# Altium PCB main_io.PcbDoc (part 2 of 3)
Units mm, origin at the board's own origin, x right, y up, seen from the top; angles counter-clockwise.
Board outline 171.45 x 117.09 mm, 4 copper layers (Top Layer, Int1 (GND), Int2 (PWR), Bottom Layer), stack 1.369 mm thick; 229 components, 139 nets, 971 pads, 253 vias.
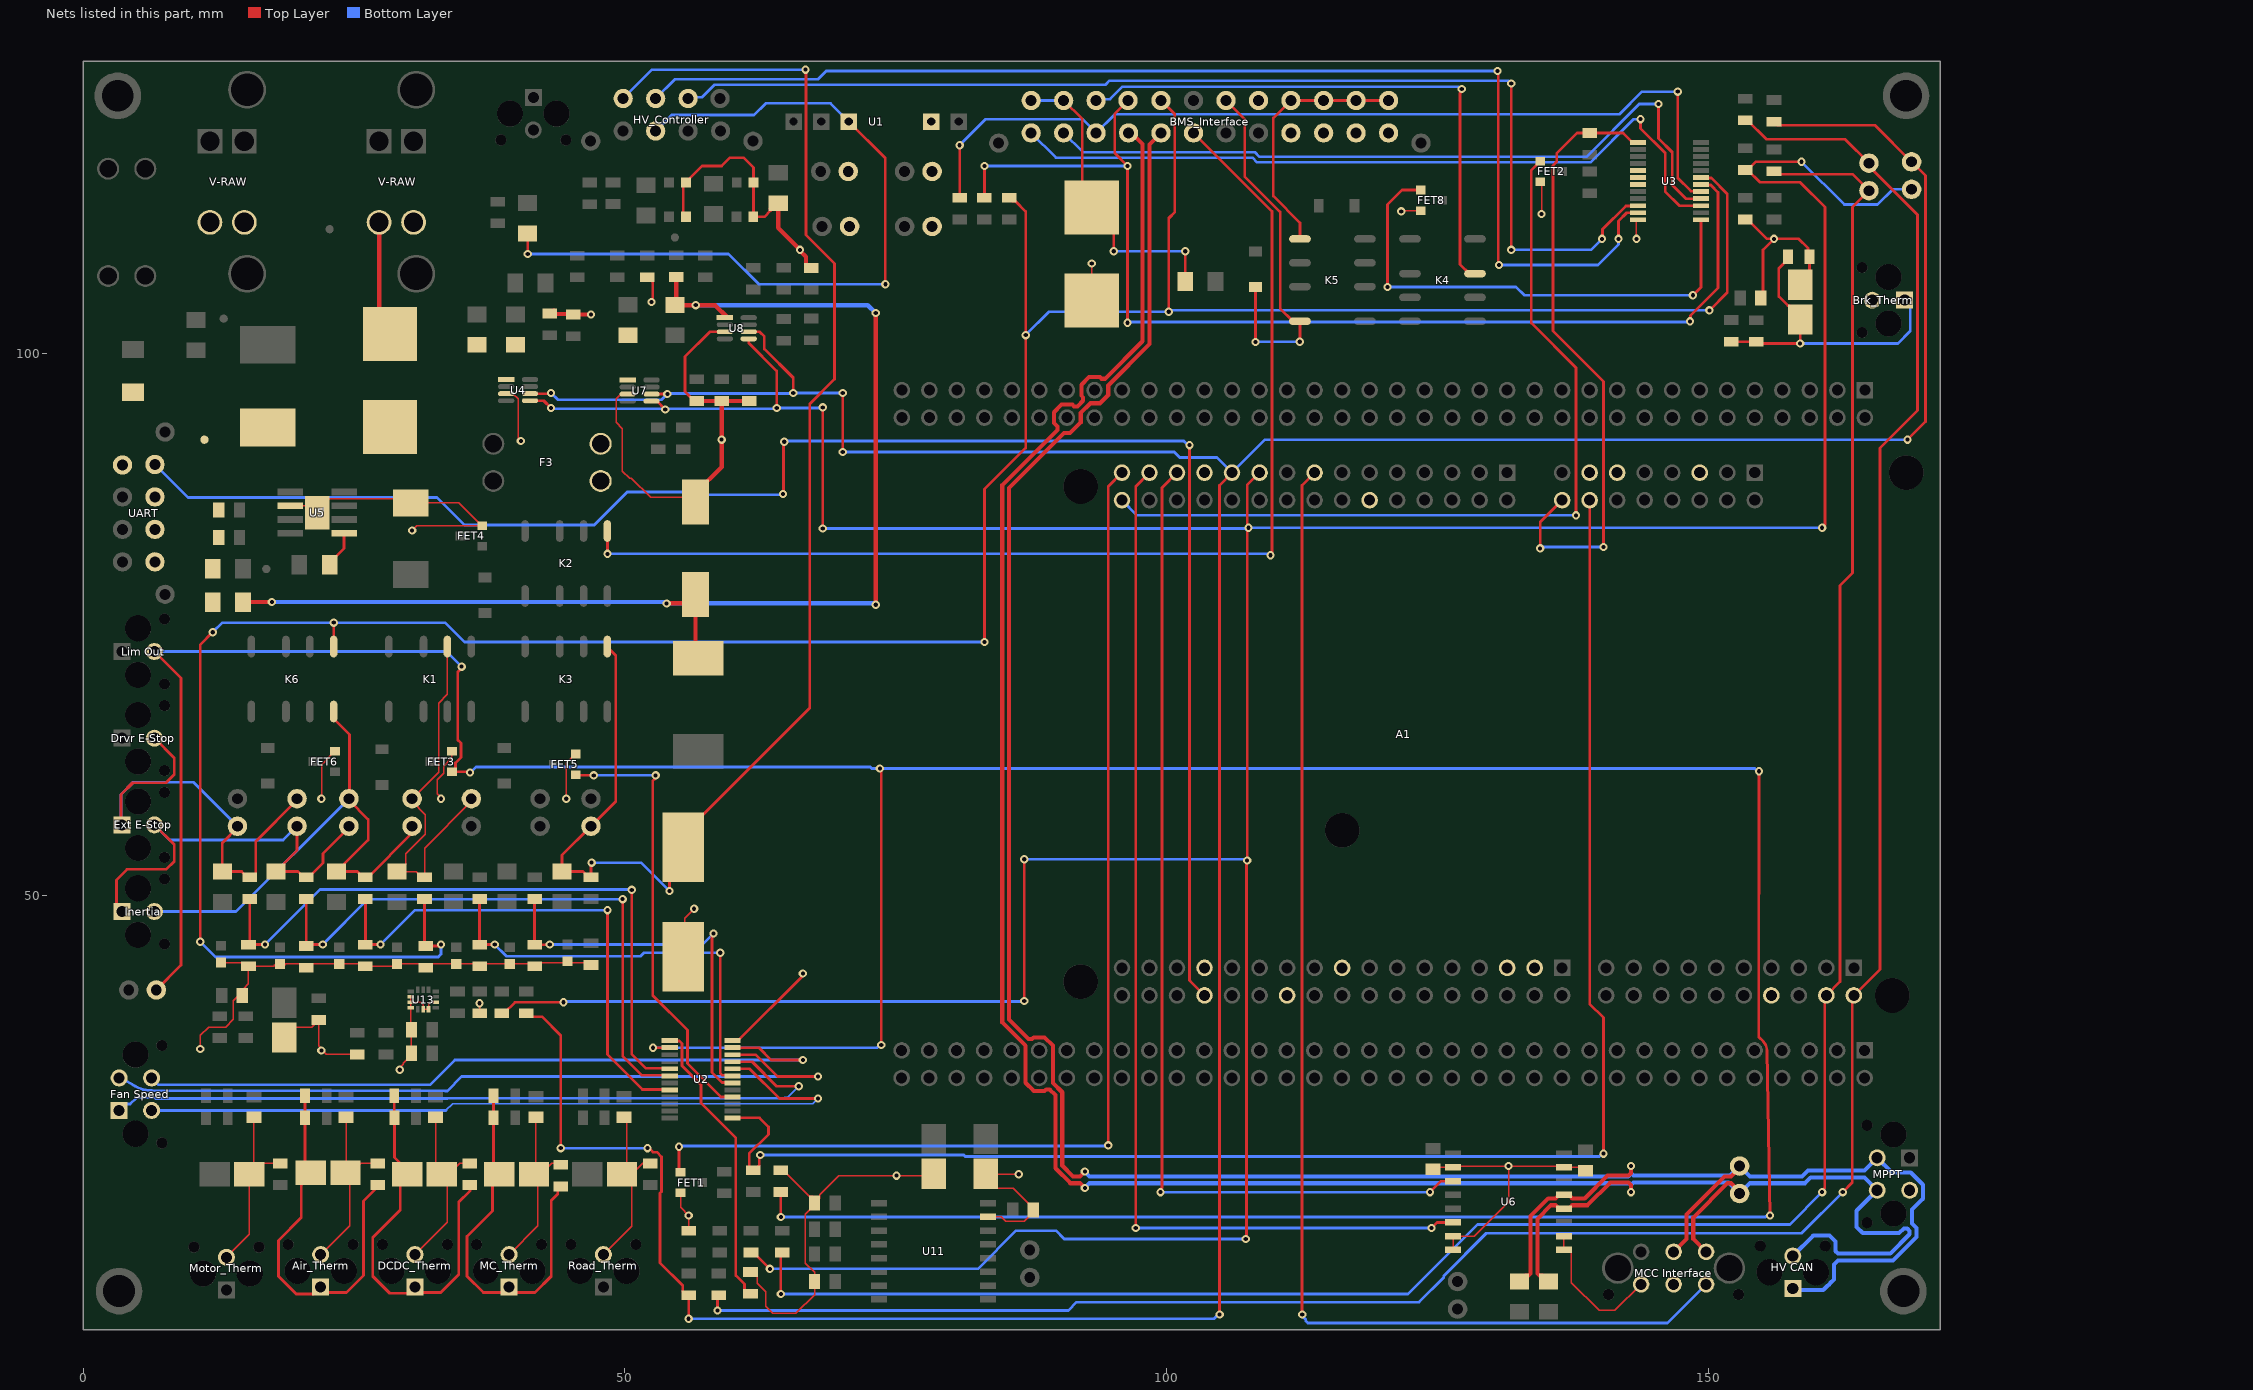
[diagram p4: the nets of this part, all layers, seen from the top]

## Part data (continued)
R5 R32 R38 R40 R44 R48 R50: library part ERJ-6ENF1801V, "RES SMD 1.8K OHM 1% 1/8W 0805", Digi-Key Part Number=P1.80KCCT-ND, Manufacturer="Panasonic Electronic Components", Operating Temperature="-55°C ~ 155°C", Package / Case="0805 (2012 Metric)", Power (Watts)="0.125W, 1/8W", Supplier Device Package=0805, Temperature Coefficient=±100ppm/°C, Tolerance=±1%, @ qty=1500, Composition="Thick Film", Datasheets=http://industrial.panasonic.com/www-cgi/jvcr13pz.cgi?E+PZ+3+AOA0002+ERJ6ENF1801V+7+WW, Factory Stock=0, Failure Rate=-, Features="Automotive AEC-Q200", Height - Seated (Max)="0.028\" (0.70mm)", Image=//media.digikey.com/Renders/Panasonic%20Renders/ERJ-0805%20Pkg.jpg, Minimum Quantity=1, Number of Terminations=2, Packaging="Cut Tape (CT)", Part Number=ERJ-6ENF1801V, Part Status=Active, Quantity Available=37011, Series=ERJ, Size / Dimension="0.079\" L x 0.049\" W (2.00mm x 1.25mm)", Unit Price (USD)=0.00729
R6 R33 R39 R41 R45 R49 R51: library part ERJ-6ENF1001V, "RES SMD 1K OHM 1% 1/8W 0805", Digi-Key Part Number=P1.00KCCT-ND, Manufacturer="Panasonic Electronic Components", Operating Temperature="-55°C ~ 155°C", Package / Case="0805 (2012 Metric)", Power (Watts)="0.125W, 1/8W", Supplier Device Package=0805, Temperature Coefficient=±100ppm/°C, Tolerance=±1%, @ qty=1500, Composition="Thick Film", Datasheets=http://industrial.panasonic.com/www-cgi/jvcr13pz.cgi?E+PZ+3+AOA0002+ERJ6ENF1001V+7+WW, Factory Stock=0, Failure Rate=-, Features="Automotive AEC-Q200", Height - Seated (Max)="0.028\" (0.70mm)", Image=//media.digikey.com/Renders/Panasonic%20Renders/ERJ-0805%20Pkg.jpg, Minimum Quantity=1, Number of Terminations=2, Packaging="Cut Tape (CT)", Part Number=ERJ-6ENF1001V, Part Status=Active, Quantity Available=12895103, Series=ERJ, Size / Dimension="0.079\" L x 0.049\" W (2.00mm x 1.25mm)", Unit Price (USD)=0.00729
R7 R88: library part CSNL1206FT5L00TR, "RES SMD 0.005 OHM 1% 1W 1206", Case Code (Imperial)=1206, Case Code (Metric)=3216, Manufacturer="Stackpole Electronics", Manufacturer Part Number=CSNL1206FT5L00, Max Operating Temperature=170°C, Max Power Dissipation=1W, Min Operating Temperature=-55°C, Resistance=5mR, Supplier Part Number 1=CSNL1206FT5L00DKR-ND, Temperature Coefficient=50ppm/°C, Tolerance=1%, Case/Package=1206, ComponentLink1Description=https://www.seielect.com/Catalog/SEI-csnl.pdf?src-supplier=Digi-Key, ComponentLink1URL=https://www.seielect.com/Catalog/SEI-csnl.pdf?src-supplier=Digi-Key, ComponentLink2Description=https://www.seielect.com/catalog/SEI-Packaging.pdf?src-supplier=Digi-Key, ComponentLink2URL=https://www.seielect.com/catalog/SEI-Packaging.pdf?src-supplier=Digi-Key, ComponentLink3Description=https://www.seielect.com/Catalog/SEI-CSNL.pdf?src-supplier=Avnet, ComponentLink3URL=https://www.seielect.com/Catalog/SEI-CSNL.pdf?src-supplier=Avnet, Composition="Metal Foil", Contact Plating=Tin,Matte, Features="Moisture Resistant", Height=0.035inch, Length=0.126inch, Mount="Surface Mount", Number of Terminations=2, Packaging="Tape and Reel", Power Rating=1W, Pricing 1="1=0.68, 10=0.566, 25=0.4852, 50=0.4366, 100=0.38, 250=0.33956, 500=0.2749, 1000=0.22234 (USD)", Radiation Hardening=No, Stock 1=5025, Supplier 1=Digi-Key, Width=0.063inch
R8 R14 R16 R17 R19 R20 R21 R23 R25 R26 R28 R29 R30 R43 R56 R57 R58 R59 R60 R62 R63 R64 R66 R67 R68 R69 R121 R122 R124 R125 R126 R127: library part ERJ-6GEY0R00V, "RES SMD 0.0 OHM JUMPER 1/8W 0805", Digi-Key Part Number=P0.0ACT-ND, Manufacturer="Panasonic Electronic Components", Operating Temperature="-55°C ~ 155°C", Package / Case="0805 (2012 Metric)", Power (Watts)="0.125W, 1/8W", Supplier Device Package=0805, Temperature Coefficient=-, Tolerance=Jumper, @ qty=1500, Composition="Thick Film", Datasheets=http://industrial.panasonic.com/www-cgi/jvcr13pz.cgi?E+PZ+3+AOA0001+ERJ6GEY0R00V+7+WW, Factory Stock=0, Failure Rate=-, Features="Automotive AEC-Q200", Height - Seated (Max)="0.028\" (0.70mm)", Image=//media.digikey.com/Renders/Panasonic%20Renders/ERJ-0805%20Pkg.jpg, Minimum Quantity=1, Number of Terminations=2, Packaging="Cut Tape (CT)", Part Number=ERJ-6GEY0R00V, Part Status=Active, Quantity Available=1597627, Series=ERJ, Size / Dimension="0.079\" L x 0.049\" W (2.00mm x 1.25mm)", Unit Price (USD)=0.00544
R9: library part ERJ-6GEYJ151V, "RES SMD 150 OHM 5% 1/8W 0805", Digi-Key Part Number=P150ACT-ND, Manufacturer="Panasonic Electronic Components", Operating Temperature="-55°C ~ 155°C", Package / Case="0805 (2012 Metric)", Power (Watts)="0.125W, 1/8W", Supplier Device Package=0805, Temperature Coefficient=±200ppm/°C, Tolerance=±5%, @ qty=1500, Composition="Thick Film", Datasheets=http://industrial.panasonic.com/www-cgi/jvcr13pz.cgi?E+PZ+3+AOA0001+ERJ6GEYJ151V+7+WW, Factory Stock=0, Failure Rate=-, Features="Automotive AEC-Q200", Height - Seated (Max)="0.028\" (0.70mm)", Image=//media.digikey.com/Renders/Panasonic%20Renders/ERJ-0805%20Pkg.jpg, Minimum Quantity=1, Number of Terminations=2, Packaging="Cut Tape (CT)", Part Number=ERJ-6GEYJ151V, Part Status=Active, Quantity Available=321000, Series=ERJ, Size / Dimension="0.079\" L x 0.049\" W (2.00mm x 1.25mm)", Unit Price (USD)=0.00496
R10 R12: library part WSLP1206R0100FEA, "RES SMD 0.01 OHM 1% 1W 1206", Case Code (Imperial)=1206, Case Code (Metric)=3216, Manufacturer="Vishay Dale", Max Operating Temperature=170°C, Max Power Dissipation=1W, Min Operating Temperature=-65°C, Package Quantity=1, Resistance=10mR, Supplier Part Number 1=WSLP-.01CT-ND, Temperature Coefficient=75ppm/°C, Tolerance=1%, Case/Package=1206, ComponentLink1Description=http://www.vishay.com/docs/30122/wslp.pdf?src-supplier=Digi-Key, ComponentLink1URL=http://www.vishay.com/docs/30122/wslp.pdf?src-supplier=Digi-Key, ComponentLink2Description=http://www.farnell.com/datasheets/2049155.pdf?src-supplier=Element14, ComponentLink2URL=http://www.farnell.com/datasheets/2049155.pdf?src-supplier=Element14, Composition="Metal Element,Metal Strip", Contact Plating=Tin, Depth=1.6mm, Features="Moisture Resistant", Height=0.635mm, Lead Free="Lead Free", Length=3.2mm, Manufacturer Part Number=WSLP1206R0100FEA, Military Standard=Not, Mount="Surface Mount", Number of Pins=2, Number of Terminations=2, Packaging="Tape and Reel", Power Rating=1W, Radiation Hardening=No, REACH SVHC=Unknown, Stock 1=0, Supplier 1=Digi-Key, Termination=SMD/SMT, Weight=0.000571oz, Width=0.063inch
R13: library part ERJ-P08J620V, "RES SMD 62 OHM 5% 2/3W 1206", Digi-Key Part Number=P62ALCT-ND, Manufacturer="Panasonic Electronic Components", Operating Temperature="-55°C ~ 155°C", Package / Case="1206 (3216 Metric)", Power (Watts)="0.667W, 2/3W", Supplier Device Package=1206, Temperature Coefficient=±200ppm/°C, Tolerance=±5%, @ qty=1500, Composition="Thick Film", Datasheets=https://industrial.panasonic.com/cdbs/www-data/pdf/RDA0000/AOA0000C243.pdf, Factory Stock=0, Failure Rate=-, Features="Automotive AEC-Q200, Pulse Withstanding", Height - Seated (Max)="0.028\" (0.70mm)", Image=//media.digikey.com/Renders/Panasonic%20Renders/ERJ-1206%20Pkg.jpg, Minimum Quantity=1, Number of Terminations=2, Packaging="Cut Tape (CT)", Part Number=ERJ-P08J620V, Part Status=Active, Quantity Available=21939, Series=ERJ, Size / Dimension="0.126\" L x 0.063\" W (3.20mm x 1.60mm)", Unit Price (USD)=0.02178
R15 R18 R22 R24 R27 R53 R54 R71 R78 R79 R80: library part ERJ-6GEYJ103V, "RES SMD 10K OHM 5% 1/8W 0805", Digi-Key Part Number=P10KACT-ND, Manufacturer="Panasonic Electronic Components", Operating Temperature="-55°C ~ 155°C", Package / Case="0805 (2012 Metric)", Power (Watts)="0.125W, 1/8W", Supplier Device Package=0805, Temperature Coefficient=±200ppm/°C, Tolerance=±5%, @ qty=1500, Composition="Thick Film", Datasheets=http://industrial.panasonic.com/www-cgi/jvcr13pz.cgi?E+PZ+3+AOA0001+ERJ6GEYJ103V+7+WW, Factory Stock=0, Failure Rate=-, Features="Automotive AEC-Q200", Height - Seated (Max)="0.028\" (0.70mm)", Image=//media.digikey.com/Renders/Panasonic%20Renders/ERJ-0805%20Pkg.jpg, Minimum Quantity=1, Number of Terminations=2, Packaging="Cut Tape (CT)", Part Number=ERJ-6GEYJ103V, Part Status=Active, Quantity Available=2328224, Series=ERJ, Size / Dimension="0.079\" L x 0.049\" W (2.00mm x 1.25mm)", Unit Price (USD)=0.00496
R36: library part ERJ-P06J103V, "RES SMD 10K OHM 5% 1/2W 0805", Digi-Key Part Number=P10KADCT-ND, Manufacturer="Panasonic Electronic Components", Operating Temperature="-55°C ~ 155°C", Package / Case="0805 (2012 Metric)", Power (Watts)="0.5W, 1/2W", Supplier Device Package=0805, Temperature Coefficient=±200ppm/°C, Tolerance=±5%, @ qty=1500, Composition="Thick Film", Datasheets=https://industrial.panasonic.com/cdbs/www-data/pdf/RDA0000/AOA0000C243.pdf, Factory Stock=0, Failure Rate=-, Features="Automotive AEC-Q200, Pulse Withstanding", Height - Seated (Max)="0.028\" (0.70mm)", Image=//media.digikey.com/Renders/Panasonic%20Renders/ERJ-0805%20Pkg.jpg, Minimum Quantity=1, Number of Terminations=2, Packaging="Cut Tape (CT)", Part Number=ERJ-P06J103V, Part Status=Active, Quantity Available=413576, Series=ERJ, Size / Dimension="0.079\" L x 0.049\" W (2.00mm x 1.25mm)", Unit Price (USD)=0.01839
R42: library part ERJ-6ENF3161V, "RES SMD 3.16K OHM 1% 1/8W 0805", Digi-Key Part Number=P3.16KCCT-ND, Manufacturer="Panasonic Electronic Components", Operating Temperature="-55°C ~ 155°C", Package / Case="0805 (2012 Metric)", Power (Watts)="0.125W, 1/8W", Supplier Device Package=0805, Temperature Coefficient=±100ppm/°C, Tolerance=±1%, @ qty=1500, Composition="Thick Film", Datasheets=http://industrial.panasonic.com/www-cgi/jvcr13pz.cgi?E+PZ+3+AOA0002+ERJ6ENF3161V+7+WW, Factory Stock=0, Failure Rate=-, Features="Automotive AEC-Q200", Height - Seated (Max)="0.028\" (0.70mm)", Image=//media.digikey.com/Renders/Panasonic%20Renders/ERJ-0805%20Pkg.jpg, Minimum Quantity=1, Number of Terminations=2, Packaging="Cut Tape (CT)", Part Number=ERJ-6ENF3161V, Part Status=Active, Quantity Available=33506, Series=ERJ, Size / Dimension="0.079\" L x 0.049\" W (2.00mm x 1.25mm)", Unit Price (USD)=0.00729
R52 R55: library part RMCF1206FT60R4, "RES SMD 60.4 OHM 1% 1/4W 1206", Manufacturer="Stackpole Electronics", Max Operating Temperature=155°C, Min Operating Temperature=-55°C, Package Height=0.55mm, Package Length=3.2mm, Package Shape=Rectangular, Package Style=SMTMeter, Package Width=1.6mm, Rated Power Dissipation (P)=250mW, Rated Temperature=70°C, Resistance=60.4R, Resistor Type="FIXED RESISTOR", Supplier Part Number 1=RMCF1206FT60R4CT-ND, Temperature Coefficient=100ppm/°C, Tolerance=1%, Working Voltage=200V, Category="Chip SMD Resistors", ComponentLink1Description=https://datasheet.ciiva.com:443/pdfs/VipMasterIC/IC/SEIE/SEIE-S-A0009541969/SEIE-S-A0009541969-1.pdf?src-supplier=IHS+Markit, ComponentLink1URL=https://datasheet.ciiva.com:443/pdfs/VipMasterIC/IC/SEIE/SEIE-S-A0009541969/SEIE-S-A0009541969-1.pdf?src-supplier=IHS+Markit, ComponentLink2Description=http://components.arrow.com/part/dataview/46947506S7252296N1174?src-supplier=Arrow+Electronics, ComponentLink2URL=http://components.arrow.com/part/dataview/46947506S7252296N1174?src-supplier=Arrow+Electronics, ComponentLink3Description=https://www.seielect.com/catalog/SEI-Packaging.pdf?src-supplier=Digi-Key, ComponentLink3URL=https://www.seielect.com/catalog/SEI-Packaging.pdf?src-supplier=Digi-Key, ComponentLink4Description=https://www.seielect.com/Catalog/SEI-RMCF_RMCP.pdf?src-supplier=Digi-Key, ComponentLink4URL=https://www.seielect.com/Catalog/SEI-RMCF_RMCP.pdf?src-supplier=Digi-Key, ComponentLink5Description=https://www.seielect.com/catalog/SEI-RMCF_RMCP.pdf?src-supplier=Avnet, ComponentLink5URL=https://www.seielect.com/catalog/SEI-RMCF_RMCP.pdf?src-supplier=Avnet, Construction=Rectangular, JESD-609 Code=e3, Manufacturer Part Number=RMCF1206FT60R4, Mount="Surface Mount", Number of Pins=2, Packaging="Tape and Reel", Pricing 1="1=0.10000, 10=0.03600, 100=0.01460, 1000=0.00655, 2500=0.00569 (USD)", REACH SVHC=Yes, Reference Standard=AEC-Q200, RoHS=Yes, RoHS Compliant=Yes, Size Code=1206, Stock 1=181362, Supplier 1=Digi-Key, Technology="METAL GLAZE/THICK FILM", Terminal Finish=Nickel, Termination=Wraparound
R61 R72 R111 R113 R115 R117 R118: library part ERJ-P06D4701V, "RES SMD 4.7K OHM 0.5% 1/2W 0805", Digi-Key Part Number=P16049CT-ND, Manufacturer="Panasonic Electronic Components", Operating Temperature="-55°C ~ 155°C", Package / Case="0805 (2012 Metric)", Power (Watts)="0.5W, 1/2W", Supplier Device Package=0805, Temperature Coefficient=±100ppm/°C, Tolerance=±0.5%, @ qty=1500, Composition="Thick Film", Datasheets=https://industrial.panasonic.com/cdbs/www-data/pdf/RDA0000/AOA0000C243.pdf, Factory Stock=0, Failure Rate=-, Features="Automotive AEC-Q200, Pulse Withstanding", Height - Seated (Max)="0.028\" (0.70mm)", Image=//media.digikey.com/Renders/Panasonic%20Renders/ERJ-0805%20Pkg.jpg, Minimum Quantity=1, Number of Terminations=2, Packaging="Cut Tape (CT)", Part Number=ERJ-P06D4701V, Part Status=Active, Quantity Available=15221, Series=ERJ, Size / Dimension="0.079\" L x 0.049\" W (2.00mm x 1.25mm)", Unit Price (USD)=0.04514
R65 R73 R112 R114 R116 R119 R120: library part ERJ-6ENF3002V, "RES SMD 30K OHM 1% 1/8W 0805", Digi-Key Part Number=P30.0KCCT-ND, Manufacturer="Panasonic Electronic Components", Operating Temperature="-55°C ~ 155°C", Package / Case="0805 (2012 Metric)", Power (Watts)="0.125W, 1/8W", Supplier Device Package=0805, Temperature Coefficient=±100ppm/°C, Tolerance=±1%, @ qty=1500, Composition="Thick Film", Datasheets=http://industrial.panasonic.com/www-cgi/jvcr13pz.cgi?E+PZ+3+AOA0002+ERJ6ENF3002V+7+WW, Factory Stock=0, Failure Rate=-, Features="Automotive AEC-Q200", Height - Seated (Max)="0.028\" (0.70mm)", Image=//media.digikey.com/Renders/Panasonic%20Renders/ERJ-0805%20Pkg.jpg, Minimum Quantity=1, Number of Terminations=2, Packaging="Cut Tape (CT)", Part Number=ERJ-6ENF3002V, Part Status=Active, Quantity Available=88046, Series=ERJ, Size / Dimension="0.079\" L x 0.049\" W (2.00mm x 1.25mm)", Unit Price (USD)=0.00729
TH1 TH2 TH3 TH4 TH5 TH6 TH7: "NTC THERMISTOR 4.7K OHM 5% 0805", Case Code (Imperial)=0805, Case Code (Metric)=2012, Current Rating=650uA, Manufacturer=Murata, Max Operating Temperature=125°C, Max Power Dissipation=200mW, Min Operating Temperature=-40°C, Package Quantity=4000, Resistance=4.7kR, Supplier Part Number 1=490-2453-1-ND, Tolerance=5%, Accuracy=3%, Case/Package=0805, ComponentLink1Description=https://datasheet.ciiva.com/30488/0900766b81259d06-30488337.pdf?src-supplier=RSComponents, ComponentLink1URL=https://datasheet.ciiva.com/30488/0900766b81259d06-30488337.pdf?src-supplier=RSComponents, ComponentLink2Description=https://datasheet.ciiva.com/2848/r44e-2848550.pdf?src-supplier=Digi-Key, ComponentLink2URL=https://datasheet.ciiva.com/2848/r44e-2848550.pdf?src-supplier=Digi-Key, ComponentLink3Description=https://datasheet.ciiva.com/24155/r44e-24155222.pdf?src-supplier=Future+Electronics, ComponentLink3URL=https://datasheet.ciiva.com/24155/r44e-24155222.pdf?src-supplier=Future+Electronics, ComponentLink4Description=https://datasheet.ciiva.com/2848/r44e-2848551.pdf?src-supplier=Digi-Key, ComponentLink4URL=https://datasheet.ciiva.com/2848/r44e-2848551.pdf?src-supplier=Digi-Key, ComponentLink5Description=https://datasheet.ciiva.com/2848/r44e-2848552.pdf?src-supplier=Digi-Key, ComponentLink5URL=https://datasheet.ciiva.com/2848/r44e-2848552.pdf?src-supplier=Digi-Key, ComponentLink6Description=https://datasheet.ciiva.com/16634/l0770c-16634105.pdf?src-supplier=Avnet+Europe, ComponentLink6URL=https://datasheet.ciiva.com/16634/l0770c-16634105.pdf?src-supplier=Avnet+Europe, ComponentLink7Description=https://datasheet.ciiva.com/3280/l0770c-3280522.pdf?src-supplier=Avnet, ComponentLink7URL=https://datasheet.ciiva.com/3280/l0770c-3280522.pdf?src-supplier=Avnet, Depth=1.25mm, Height=0.85mm, Lead Free="Lead Free", Length=2mm, Manufacturer Part Number=NCP21XM472J03RA, Mount="Surface Mount", Number of Pins=2, Packaging="Tape and Reel", Power Rating=200mW, Pricing 1="1=0.20000, 5=0.19400, 10=0.17300, 25=0.15920, 50=0.12760, 100=0.10930, 500=0.09564, 1000=0.08197 (USD)", Radiation Hardening=No, REACH SVHC="No SVHC", RoHS=Yes, Stock 1=51855, Supplier 1=Digi-Key, Termination=SMD/SMT, Width=1.25mm
TP1 TP2 TP3 TP4 TP5: "SMD TEST POINT"
U1: library part CMP-008-000009-3, "DC-DC Regulated Power Supply Module, 1 Output, 1W, Hybrid"
U2 U3: "Parallel I/O Port, 16-Bit, 16 I/O, CMOS, PDSO24", Manufacturer="Texas Instruments", Max Operating Temperature=85°C, Max Supply Voltage=5.5V, Min Operating Temperature=-40°C, Min Supply Voltage=1.65V, Package Body Material=Plastic, Package Code=TSSOP, Package Equivalence Code=TSSOP24,.25, Package Shape=Rectangular, Package Style="SMALL OUTLINE, THIN PROFILE, SHRINK PITCHMeter", Peak Reflow Temperature (Cel)=260°C, Power Supplies=1.8/5V, Supply Voltage-Nom=1.8V, Temperature Grade=INDUSTRIAL, Category="Interface ICs", ComponentLink1Description=https://www.ti.com:443/lit/ds/symlink/tca6416.pdf?src-supplier=IHS+Markit, ComponentLink1URL=https://www.ti.com:443/lit/ds/symlink/tca6416.pdf?src-supplier=IHS+Markit, ComponentLink2Description=https://datasheet.ciiva.com/1780/tca6416-1780912.pdf?src-supplier=Digi-Key, ComponentLink2URL=https://datasheet.ciiva.com/1780/tca6416-1780912.pdf?src-supplier=Digi-Key, ComponentLink3Description=https://datasheet.ciiva.com/1780/tca6416-1780913.pdf?src-supplier=Digi-Key, ComponentLink3URL=https://datasheet.ciiva.com/1780/tca6416-1780913.pdf?src-supplier=Digi-Key, ComponentLink4Description=https://datasheet.ciiva.com/1780/tca6416-1780914.pdf?src-supplier=Digi-Key, ComponentLink4URL=https://datasheet.ciiva.com/1780/tca6416-1780914.pdf?src-supplier=Digi-Key, Height - Seated (Max)=1.2mm, JESD-30 Code=R-PDSO-G24, JESD-609 Code=e4, Length=7.8mm, Manufacturer Part Number=TCA6416PWR, Moisture Sensitivity Level=1, Number of Bits=16, Number of I/O Lines=16, Number of Pins=24, Number of Ports=2, Pricing 1="1=3.29000, 10=2.95900, 25=2.79760, 100=2.42460, 250=2.30024, 500=2.06402, 1000=2.05275 (USD)", Qualification Status="Not Qualified", REACH SVHC=Yes, RoHS=Yes, RoHS Compliant=Yes, Stock 1=2155, Supplier 1=Digi-Key, Surface Mount=Yes, Technology=CMOS, Terminal Finish=Nickel, Terminal Form="Gull Wing", Terminal Pitch=0.65mm, Terminal Position=DUAL, Width=4.4mm
U4 U7 U8: library part CMP-0704-00041-3, "IC CURRENT MONITOR 1% SOT23-8", Case/Package=SOT-23-8, Input Offset Voltage (Vos)=100uV, Max Input Voltage=26V, Max Operating Temperature=125°C, Max Supply Current=5mA, Max Supply Voltage=5.5V, Min Input Voltage=0V, Min Operating Temperature=-40°C, Min Supply Voltage=3V, Nominal Supply Current=700uA, Operating Supply Current=1mA, Output Current=10mA, Package Quantity=3000, Accuracy=1%, Bandwidth=3.4MHz, Common Mode Rejection Ratio=100dB, Contact Plating=Gold, Features=I²C, Height=1.3mm, Lead Free="Lead Free", Length=3mm, Number of Amplifiers=1, Number of Pins=8, Output Current per Channel=10mA, Output Type=Digital, Packaging="Tape and Reel", Quiescent Current=700uA, Radiation Hardening=No, REACH SVHC="No SVHC", RoHS Compliant=Yes, Series=Zero-Drift, Supply Current=700uA, Weight=0.001411oz, Width=1.75mm
U5: "Switching Regulator, Voltage-mode, 5A, 500kHz Switching Freq-Max, PDSO8", Manufacturer="Texas Instruments", Max Input Voltage=36V, Max Operating Temperature=125°C, Max Output Current=11.7A, Min Input Voltage=5.5V, Min Operating Temperature=-55°C, Package Body Material=Plastic, Package Code=HLSOP, Package Equivalence Code=SOP8,.25, Package Shape=Rectangular, Package Style="SMALL OUTLINE, HEAT SINK/SLUG, LOW PROFILEMeter", Peak Reflow Temperature (Cel)=260°C, Switching Frequency-Max=600kHz, Temperature Grade=MILITARY, Analog IC - Other Type="SWITCHING REGULATOR", Category="Voltage Regulators - Switching", ComponentLink1Description=https://www.ti.com:443/lit/ds/symlink/tps5450-ep.pdf?src-supplier=IHS+Markit, ComponentLink1URL=https://www.ti.com:443/lit/ds/symlink/tps5450-ep.pdf?src-supplier=IHS+Markit, ComponentLink2Description=https://datasheet.ciiva.com/2026/tps5450-ep-2026960.pdf?src-supplier=Digi-Key, ComponentLink2URL=https://datasheet.ciiva.com/2026/tps5450-ep-2026960.pdf?src-supplier=Digi-Key, ComponentLink3Description=https://datasheet.ciiva.com/14377/tps5450-ep-14377735.pdf?src-supplier=Avnet, ComponentLink3URL=https://datasheet.ciiva.com/14377/tps5450-ep-14377735.pdf?src-supplier=Avnet, ComponentLink4Description=https://datasheet.ciiva.com/4120/47915916s8374019n7713-4120041.pdf?src-supplier=Arrow+Electronics, ComponentLink4URL=https://datasheet.ciiva.com/4120/47915916s8374019n7713-4120041.pdf?src-supplier=Arrow+Electronics, ComponentLink5Description=https://datasheet.ciiva.com/12226/slvs935-120931-12226785.pdf?src-supplier=Mouser, ComponentLink5URL=https://datasheet.ciiva.com/12226/slvs935-120931-12226785.pdf?src-supplier=Mouser, ComponentLink6Description=https://datasheet.ciiva.com/26899/tps5450mddarep-26899682.pdf?src-supplier=IIIC, ComponentLink6URL=https://datasheet.ciiva.com/26899/tps5450mddarep-26899682.pdf?src-supplier=IIIC, ComponentLink7Description=https://datasheet.ciiva.com/26101/tps5450-ep-26101388.pdf?src-supplier=Avnet+Europe, ComponentLink7URL=https://datasheet.ciiva.com/26101/tps5450-ep-26101388.pdf?src-supplier=Avnet+Europe, Control Mode=VOLTAGE-MODE, Control Technique="PULSE WIDTH MODULATION", Height - Seated (Max)=1.68mm, JESD-30 Code=R-PDSO-G8, JESD-609 Code=e4, Length=4.89mm, Manufacturer Part Number=TPS5450MDDAREP, Moisture Sensitivity Level=1, Number of Functions=1, Number of Pins=8, Pricing 1="1=11.08000, 10=10.00700, 25=9.54160, 100=8.28490, 250=7.91260, 500=7.68424 (USD)", Qualification Status="Not Qualified", REACH SVHC=Yes, RoHS=Yes, RoHS Compliant=Yes, Stock 1=2565, Supplier 1=Digi-Key, Surface Mount=Yes, Switcher Configuration=BUCK, Terminal Finish=Nickel, Terminal Form="Gull Wing", Terminal Pitch=1.27mm, Terminal Position=DUAL, TPS5450MDDAREP=296-24950-1-ND, Width=3.9mm
U6: "IC TXRX/ISO HALF 1/1 16SOIC", Manufacturer="Texas Instruments", Max Operating Temperature=105°C, Min Operating Temperature=-55°C, Package Body Material=Plastic, Package Code=SOP, Package Shape=Rectangular, Package Style="SMALL OUTLINEMeter", Peak Reflow Temperature (Cel)=260°C, Supplier Part Number 1=595-ISO1050DWR, Supply Voltage-Nom=5V, Temperature Grade=OTHER, Category="Interface ICs", ComponentLink1Description=https://www.ti.com:443/lit/ds/symlink/iso1050.pdf?src-supplier=IHS+Markit, ComponentLink1URL=https://www.ti.com:443/lit/ds/symlink/iso1050.pdf?src-supplier=IHS+Markit, ComponentLink2Description=https://datasheet.ciiva.com/4782/slls983e-121851-4782209.pdf?src-supplier=Mouser, ComponentLink2URL=https://datasheet.ciiva.com/4782/slls983e-121851-4782209.pdf?src-supplier=Mouser, ComponentLink3Description=https://datasheet.ciiva.com/26913/getdatasheetpartid-573378-26913111.pdf?src-supplier=Verical, ComponentLink3URL=https://datasheet.ciiva.com/26913/getdatasheetpartid-573378-26913111.pdf?src-supplier=Verical, Height - Seated (Max)=2.65mm, JESD-30 Code=R-PDSO-G16, JESD-609 Code=e4, Length=10.3mm, Manufacturer Part Number=ISO1050DWR, Moisture Sensitivity Level=2, Number of Functions=1, Number of Pins=16, Pricing 1="1=6.50000, 10=5.84000, 25=5.52000, 50=5.52000, 100=4.79000, 1000=3.56000, 10000=3.56000 (USD)", Qualification Status="Not Qualified", REACH SVHC=Yes, RoHS=Yes, RoHS Compliant=Yes, Supplier 1=Mouser, Surface Mount=Yes, Telecom IC Type="INTERFACE CIRCUIT", Terminal Finish=Nickel, Terminal Form="Gull Wing", Terminal Pitch=1.27mm, Terminal Position=DUAL, Width=7.5mm
U11: "IC DRVR/RCVR MULTCH RS232 16SOIC", Case/Package=SOIC, Manufacturer="Texas Instruments", Max Operating Temperature=85°C, Max Supply Voltage=5.5V, Min Operating Temperature=-40°C, Min Supply Voltage=3V, Nominal Supply Current=1mA, Operating Supply Voltage=5V, Output Current=60mA, Output Voltage=5.4V, Package Quantity=40, Supplier Part Number 1=296-26159-5-ND, ComponentLink1Description=http://www.farnell.com/datasheets/1823586.pdf?src-supplier=Element14, ComponentLink1URL=http://www.farnell.com/datasheets/1823586.pdf?src-supplier=Element14, ComponentLink2Description=http://www.ti.com/lit/ds/symlink/max3232.pdf?src-supplier=Digi-Key, ComponentLink2URL=http://www.ti.com/lit/ds/symlink/max3232.pdf?src-supplier=Digi-Key, ComponentLink3Description=http://focus.ti.com/lit/ds/symlink/max3232.pdf?src-supplier=Avnet+Europe, ComponentLink3URL=http://focus.ti.com/lit/ds/symlink/max3232.pdf?src-supplier=Avnet+Europe, ComponentLink4Description=http://www.produktinfo.conrad.com/datenblaetter/1100000-1199999/001187156-da-01-en-IC_DRVR_RCVR_MULT_MAX3232IDW_SOIC_16_TID.pdf?src-supplier=Conrad, ComponentLink4URL=http://www.produktinfo.conrad.com/datenblaetter/1100000-1199999/001187156-da-01-en-IC_DRVR_RCVR_MULT_MAX3232IDW_SOIC_16_TID.pdf?src-supplier=Conrad, Data Rate=250Kbps, Height=2.35mm, Lead Free="Lead Free", Length=10.28mm, Logic Function=Transceiver,Receiver, Mount="Surface Mount", Number of Drivers=2, Number of Pins=16, Number of Receivers=2, Number of Transceivers=1, Number of Transmitters=2, Packaging=Rail/Tube, Pricing 1="1=2.15, 10=1.927, 25=1.818, 100=1.4543, 250=1.27252, 500=1.23618, 1000=0.98167, 2500=0.9604 (USD)", Radiation Hardening=No, REACH SVHC="No SVHC", RoHS Compliant=Yes, Simplex/Duplex="Full Duplex", Stock 1=419, Supplier 1=Digi-Key, Weight=0.014829oz, Width=7.52mm
U13: "Analog Circuit, 1 Func, PBGA14", Manufacturer=STMicroelectronics, Max Operating Temperature=85°C, Min Operating Temperature=-40°C, Package Body Material=Plastic, Package Code=VFLGA, Package Shape=Rectangular, Package Style="GRID ARRAY, VERY THIN PROFILE, FINE PITCHMeter", Peak Reflow Temperature (Cel)=260°C, Supplier Part Number 1=497-16705-1-ND, Supply Voltage-Max (Vsup)=3.6V, Supply Voltage-Min (Vsup)=1.71V, Supply Voltage-Nom (Vsup)=1.8V, Temperature Grade=INDUSTRIAL, Analog IC - Other Type="ANALOG CIRCUIT", Category="Inertial Measurement Units (IMUs)", ComponentLink1Description=https://datasheet.ciiva.com:443/pdfs/VipMasterIC/IC/SGST/SGST-S-A0003491949/SGST-S-A0003491939-1.pdf?src-supplier=IHS+Markit, ComponentLink1URL=https://datasheet.ciiva.com:443/pdfs/VipMasterIC/IC/SGST/SGST-S-A0003491949/SGST-S-A0003491939-1.pdf?src-supplier=IHS+Markit, ComponentLink2Description=http://www.farnell.com/datasheets/2290668.pdf?src-supplier=Farnell, ComponentLink2URL=http://www.farnell.com/datasheets/2290668.pdf?src-supplier=Farnell, ComponentLink3Description=https://www.mouser.com/ds/2/389/lsm6dsl-973708.pdf?src-supplier=Mouser, ComponentLink3URL=https://www.mouser.com/ds/2/389/lsm6dsl-973708.pdf?src-supplier=Mouser, ComponentLink4Description=http://www.st.com/content/ccc/resource/technical/document/datasheet/ee/23/a0/dc/1d/68/45/52/DM00237456.pdf/files/DM00237456.pdf/jcr:content/translations/en.DM00237456.pdf?src-supplier=Digi-Key, ComponentLink4URL=http://www.st.com/content/ccc/resource/technical/document/datasheet/ee/23/a0/dc/1d/68/45/52/DM00237456.pdf/files/DM00237456.pdf/jcr:content/translations/en.DM00237456.pdf?src-supplier=Digi-Key, ComponentLink5Description=http://www.farnell.com/datasheets/2290668.pdf?src-supplier=Newark, ComponentLink5URL=http://www.farnell.com/datasheets/2290668.pdf?src-supplier=Newark, ComponentLink6Description=http://www.farnell.com/datasheets/2290668.pdf?src-supplier=Element14, ComponentLink6URL=http://www.farnell.com/datasheets/2290668.pdf?src-supplier=Element14, Height - Seated (Max)=0.86mm, JESD-609 Code=e4, Length=3mm, Manufacturer Part Number=LSM6DSLTR, Moisture Sensitivity Level=3, Number of Functions=1, Number of Pins=14, Pricing 1="1=6.37000, 10=5.72400, 25=5.41120, 100=4.68960, 250=4.44912, 500=3.99218, 1000=3.97040 (USD)", REACH SVHC=Yes, RoHS=Yes, RoHS Compliant=Yes, Stock 1=4369, Supplier 1=Digi-Key, Surface Mount=Yes, Terminal Finish=Nickel, Terminal Form=BUTT, Terminal Pitch=0.5mm, Terminal Position=BOTTOM, Width=2.5mm